# Altium PCB JTAG-批量下载V06.PcbDoc (part 5 of 13)
Units mil, origin at the board's own origin, x right, y up, seen from the top; angles counter-clockwise.
Board outline 6380 x 5290 mil, 2 copper layers (Top Layer, Bottom Layer); 190 components, 238 nets, 1050 pads, 459 vias.
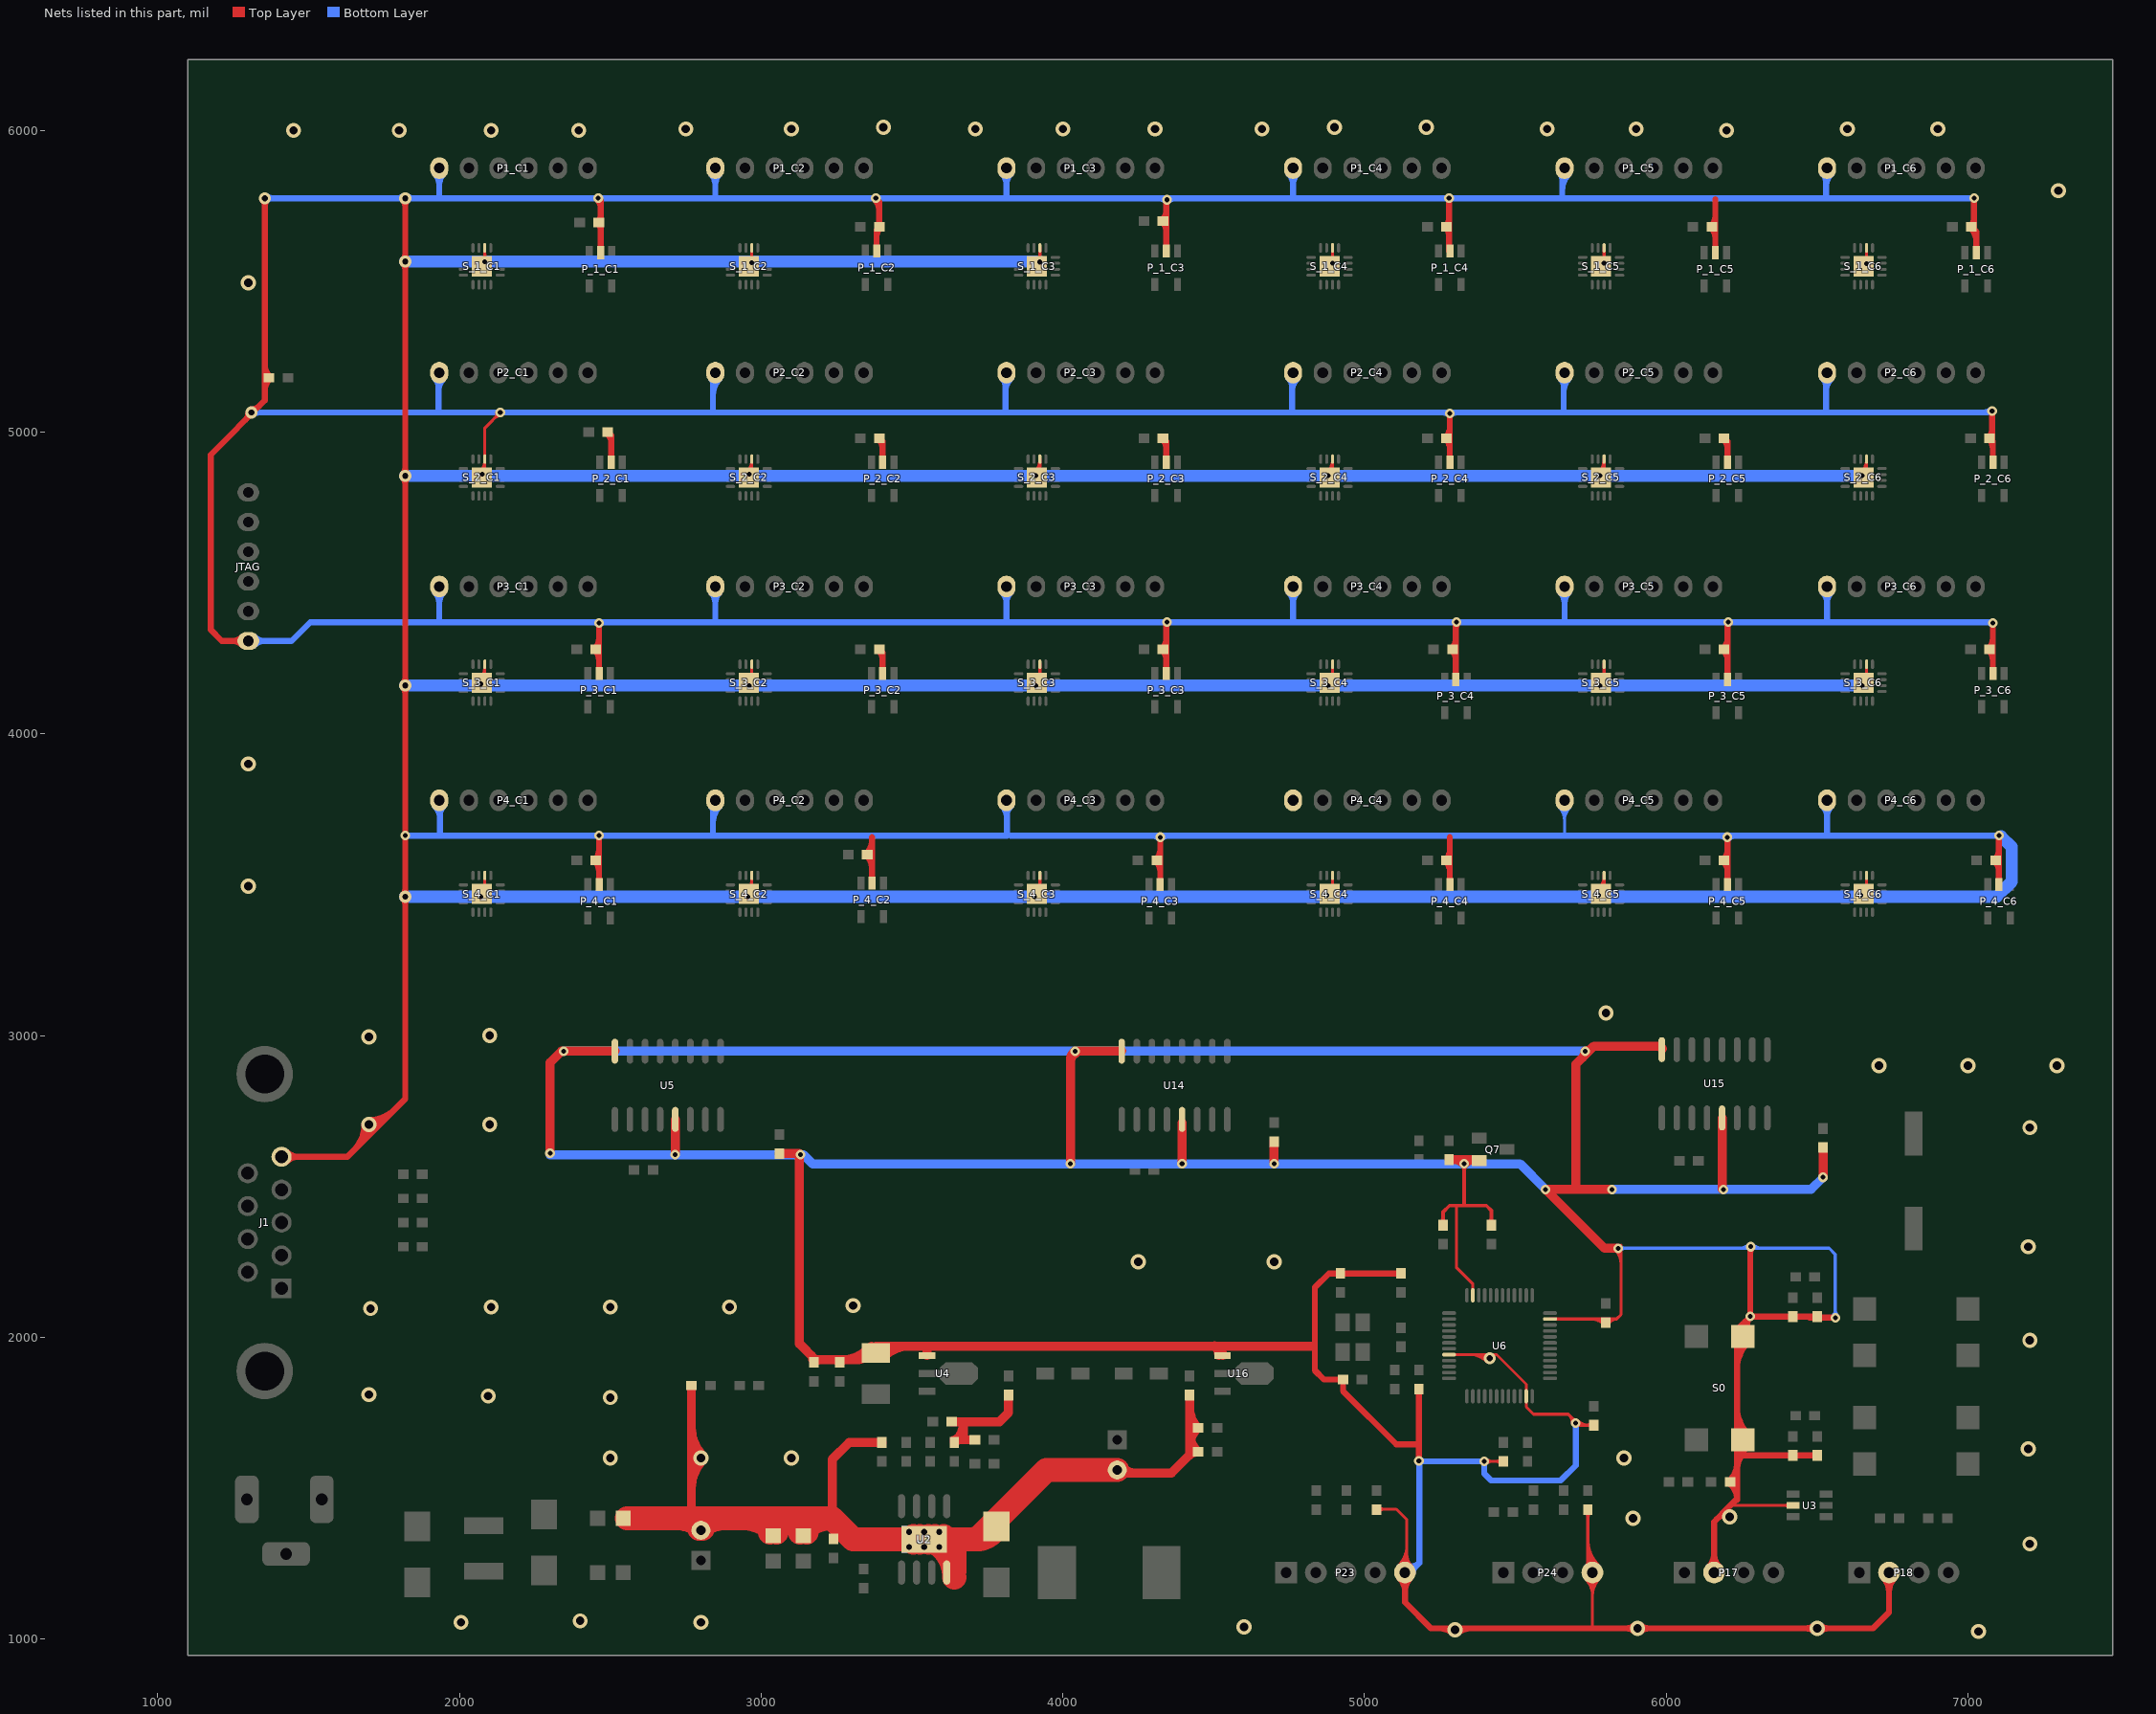
[diagram p5: the nets of this part, all layers, seen from the top]

## Via types
v1: diameter 32, hole 16, Top Layer to Bottom Layer, 347 vias
v2: diameter 50, hole 28, Top Layer to Bottom Layer, 63 vias
v3: diameter 40, hole 20, Top Layer to Bottom Layer, 49 vias

## Nets (pads, with @x,y where several pads share a name; then routed paths per layer and width w, separated by ;. In a path a pad name is that pad's centre, name@x,y a point inside that pad or via, vN(x,y) a via of type N, cw(c..) or ccw(c..) an arc to the next point about the centre after c; other vN are vias at no path point) (continued)
GND: C2.2 C3.2 C4.2 C5.2 C6.2 C7.2 C8.2 C9.2 C10.2 C15.2 C16.2 C21.2 C22.2 C23.1 C24.2 C25.2 C26.2 C27.2 C30.2 C38.1 C39.1 C41.2 C42.2 C43.2 C48.2 C50.2 C52.2 C53.2 D8.1 J1.5 JTAG.6 L2.1 LD0.2 P1_C1.6 P1_C2.6 P1_C3.6 P1_C4.6 P1_C5.6 P1_C6.6 P2_C1.6 P2_C2.6 P2_C3.6 P2_C4.6 P2_C5.6 P2_C6.6 P3_C1.6 P3_C2.6 P3_C3.6 P3_C4.6 P3_C5.6 P3_C6.6 P4_C1.6 P4_C2.6 P4_C3.6 P4_C4.6 P4_C5.6 P4_C6.6 P17.2 P18.2 P23.5 P24.4 P_1_C1.2 P_1_C2.2 P_1_C3.2 P_1_C4.2 P_1_C5.2 P_1_C6.2 P_2_C1.2 P_2_C2.2 P_2_C3.2 P_2_C4.2 P_2_C5.2 P_2_C6.2 P_3_C1.2 P_3_C2.2 P_3_C3.2 P_3_C4.2 P_3_C5.2 P_3_C6.2 P_4_C1.2 P_4_C2.2 P_4_C3.2 P_4_C4.2 P_4_C5.2 P_4_C6.2 Q7.2 R7.1 R10.1 R14.1 R17.1 R21.1 R29.2 R30.2 R31.2 R32.2 R33.2 R34.2 R40.2 R41.2 R45.1 R48.1 R52.2 R53.2 R54.2 R55.2 R56.2 R57.2 R61.2 R62.2 R63.2 R64.2 R65.2 R66.2 R71.2 R72.2 R73.2 R74.2 R75.2 R76.2 S0.3 S0.4 S_1_C1.6 S_1_C1.17 S_1_C2.6 S_1_C2.17 S_1_C3.6 S_1_C3.17 S_1_C4.6 S_1_C4.17 S_1_C5.6 S_1_C5.17 S_1_C6.6 S_1_C6.17 S_2_C1.6 S_2_C1.17 S_2_C2.6 S_2_C2.17 S_2_C3.6 S_2_C3.17 S_2_C4.6 S_2_C4.17 S_2_C5.6 S_2_C5.17 S_2_C6.6 S_2_C6.17 S_3_C1.6 S_3_C1.17 S_3_C2.6 S_3_C2.17 S_3_C3.6 S_3_C3.17 S_3_C4.6 S_3_C4.17 S_3_C5.6 S_3_C5.17 S_3_C6.6 S_3_C6.17 S_4_C1.6 S_4_C1.17 S_4_C2.6 S_4_C2.17 S_4_C3.6 S_4_C3.17 S_4_C4.6 S_4_C4.17 S_4_C5.6 S_4_C5.17 S_4_C6.6 S_4_C6.17 U2.4 U2.9 U3.2 U4.1 U5.8 U5.13 U6.8 U6.23 U6.35 U6.47 U14.8 U14.13 U15.8 U15.13 U16.1 | length 111183.4
  Top Layer w10: S_3_C1.17@2062.22,4172.78 ccw(c2010.08,4224.92) S_3_C1.6@2083.82,4224.92 ; S_2_C1.17@2067.22,4867.78 ccw(c2027.15,4907.85) S_2_C1.6@2083.82,4907.85 ; S_3_C1.17@2069.29,4165.71 ccw(c2034.22,4200.78) S_3_C1.17@2083.82,4200.78 ; S_4_C1.17@2073.98,3469.53 S_4_C1.17@2083.82,3479.37 ; S_2_C1.17@2074.29,4860.71 ccw(c2051.3,4883.7) 2083.82,4883.7 ; S_1_C1.17@2076.04,5572.78 ccw(c2057.26,5591.56) 2083.82,5591.56 ccw(c2110.38,5591.56) S_1_C1.17@2091.6,5572.78 ; S_3_C1.17@2076.36,4158.64 ccw(c2058.37,4176.63) S_3_C1.17@2083.82,4176.63 ; S_4_C1.6@2083.82,3530.55 S_4_C1.17@2083.82,3479.37 ; S_3_C1.17@2083.82,4179.37 S_3_C1.6@2083.82,4230.55 ; S_2_C1.17@2083.82,4851.18 2083.82,5013.82 v1(2135,5065) ; S_1_C1.17@2083.82,5531.18 S_1_C1.6@2083.82,5620 ; S_4_C2.17@2947.22,3467.78 ccw(c2895.08,3519.92) S_4_C2.6@2968.82,3519.92 ; S_2_C2.17@2952.22,4867.78 ccw(c2912.15,4907.85) S_2_C2.6@2968.82,4907.85 ; S_4_C2.17@2954.29,3460.71 ccw(c2919.22,3495.78) S_4_C2.17@2968.82,3495.78 ; S_2_C2.17@2959.29,4860.71 ccw(c2936.3,4883.7) 2968.82,4883.7 ; S_1_C2.17@2961.04,5568.96 ccw(c2942.26,5587.74) 2968.82,5587.74 ccw(c2995.38,5587.74) S_1_C2.17@2976.6,5568.96 ; S_4_C2.17@2961.36,3453.64 ccw(c2943.37,3471.63) S_4_C2.17@2968.82,3471.63 ; S_4_C2.17@2968.82,3458.82 S_4_C2.6@2968.82,3530.55 ; S_3_C2.17@2968.82,4179.37 S_3_C2.6@2968.82,4230.55 ; S_2_C2.17@2968.82,4861.18 S_2_C2.6@2968.82,4910.55 ; v1(2968.82,5561.18) S_1_C2.6@2968.82,5610.55 ; S_2_C3.17@3902.66,4863.19 ccw(c3860.25,4910.55) 3923.82,4910.55 S_2_C3.17@3923.82,4861.18 ; S_2_C3.17@3909.33,4855.74 ccw(c3880.29,4888.17) 3923.82,4888.17 ; S_4_C3.17@3913.98,3469.53 S_4_C3.17@3923.82,3479.37 ; S_2_C3.17@3916,4848.3 ccw(c3900.34,4865.79) S_2_C3.17@3923.82,4865.79 ; S_1_C3.17@3916.04,5571.6 ccw(c3897.26,5590.38) 3923.82,5590.38 ccw(c3950.38,5590.38) S_1_C3.17@3931.6,5571.6 ; S_4_C3.6@3923.82,3530.55 S_4_C3.17@3923.82,3479.37 ; S_3_C3.17@3923.82,4179.37 S_3_C3.6@3923.82,4230.55 ; v1(3923.82,5563.82) S_1_C3.6@3923.82,5610.55 ; S_2_C4.17@4872.66,4863.19 ccw(c4830.25,4910.55) 4893.82,4910.55 S_2_C4.17@4893.82,4861.18 ; S_2_C4.17@4879.33,4855.74 ccw(c4850.29,4888.17) 4893.82,4888.17 ; S_2_C4.17@4886,4848.3 ccw(c4870.34,4865.79) S_2_C4.17@4893.82,4865.79 ; S_1_C4.17@4886.04,5567.15 ccw(c4867.26,5585.93) 4893.82,5585.93 ccw(c4920.38,5585.93) S_1_C4.17@4901.6,5567.15 ; S_4_C4.17@4893.82,3478.82 S_4_C4.6@4893.82,3530.55 ; S_3_C4.17@4893.82,4183.82 S_3_C4.6@4893.82,4230.55 ; v1(4893.82,5559.37) S_1_C4.6@4893.82,5610.55 ; R45.1@5050,1430 5105,1430 5140,1395 P23.5@5140,1215 ; U6.8@5280,1942.2 5437.8,1942.2 5535.91,1844.09 5535.91,1769.09 5560,1745 5675,1745 5711.5,1708.5 C16.2@5760,1708.5 ; 5305,2436.5 5305,2230 5358.74,2176.26 U6.47@5358.74,2139.06 ; 5349.32,1942.2 cw(c5349.32,1864.32) v3@5404.39,1919.39 ; 5373.46,1942.2 cw(c5373.46,1888.46) v3@5411.46,1926.46 ; v1(5396.5,1588.5) R17.1@5460,1588.5 ; 5397.61,1942.2 cw(c5397.61,1912.61) v3@5418.54,1933.54 ; U6.35@5614.65,2060.32 5835.31,2060.32 ; R48.1@5740,1428.5 5740,1235.28 P24.4@5755.28,1220 5755.28,1035.28 ; 5750.29,2060.32 cw(c5750.29,2000.76) C10.2@5792.4,2042.87 ; S_4_C5.17@5767.77,3473.29 ccw(c5717.86,3530.55) 5793.82,3530.55 S_4_C5.17@5793.82,3468.82 ; S_2_C5.17@5772.66,4863.19 ccw(c5730.25,4910.55) 5793.82,4910.55 S_2_C5.17@5793.82,4851.18 ; S_4_C5.17@5774.34,3465.75 ccw(c5737.03,3508.57) 5793.82,3508.57 ; 5774.43,2060.32 cw(c5774.43,2024.9) C10.2@5799.47,2049.94 ; S_2_C5.17@5779.33,4855.74 ccw(c5750.29,4888.17) 5793.82,4888.17 ; S_4_C5.17@5780.91,3458.22 ccw(c5756.19,3486.58) S_4_C5.17@5793.82,3486.58 ; S_3_C5.17@5783.98,4169.53 S_3_C5.17@5793.82,4179.37 ; S_2_C5.17@5786,4848.3 ccw(c5770.34,4865.79) S_2_C5.17@5793.82,4865.79 ; S_1_C5.17@5786.04,5567.15 ccw(c5767.26,5585.93) 5793.82,5585.93 ccw(c5820.38,5585.93) S_1_C5.17@5801.6,5567.15 ; S_4_C5.17@5787.48,3450.68 ccw(c5775.35,3464.6) S_4_C5.17@5793.82,3464.6 ; S_3_C5.6@5793.82,4230.55 S_3_C5.17@5793.82,4179.37 ; v1(5793.82,5559.37) S_1_C5.6@5793.82,5610.55 ; v1@5850,2305 5850,2075 5835.31,2060.32 ; 6209.97,1439.97 6212.6,1442.6 U3.2@6420,1442.6 ; S_2_C6.17@6642.66,4863.19 ccw(c6600.25,4910.55) 6663.82,4910.55 S_2_C6.17@6663.82,4851.18 ; S_2_C6.17@6649.33,4855.74 ccw(c6620.29,4888.17) 6663.82,4888.17 ; S_2_C6.17@6656,4848.3 ccw(c6640.34,4865.79) S_2_C6.17@6663.82,4865.79 ; S_1_C6.17@6656.04,5566.6 ccw(c6637.26,5585.38) 6663.82,5585.38 ccw(c6690.38,5585.38) S_1_C6.17@6671.6,5566.6 ; S_4_C6.17@6663.82,3479.37 S_4_C6.6@6663.82,3530.55 ; S_3_C6.17@6663.82,4179.37 S_3_C6.6@6663.82,4230.55 ; v1(6663.82,5558.82) S_1_C6.6@6663.82,5610.55 ; S_4_C1.17@2070,3471 ccw(c2070,3484.15) S_4_C1.17@2079.3,3474.85 ; S_4_C1.17@2070,3471 ccw(c2070,3484.15) S_4_C1.17@2079.3,3474.85 ; S_4_C1.17@2070,3471 ccw(c2070,3484.15) S_4_C1.17@2079.3,3474.85 ; S_1_C1.17@2076.04,5557.22 cw(c2057.26,5538.44) S_1_C1.17@2083.82,5538.44 ; S_1_C1.17@2076.04,5557.22 cw(c2057.26,5538.44) S_1_C1.17@2083.82,5538.44 ; S_1_C1.17@2076.04,5557.22 cw(c2057.26,5538.44) S_1_C1.17@2083.82,5538.44 ; S_4_C1.17@2080.34,3463.75 cw(c2094.36,3468.83) S_4_C1.17@2083.82,3479.37 ; S_4_C1.17@2080.34,3463.75 cw(c2094.36,3468.83) S_4_C1.17@2083.82,3479.37 ; S_4_C1.17@2080.34,3463.75 cw(c2094.36,3468.83) S_4_C1.17@2083.82,3479.37 ; S_1_C1.17@2083.82,5538.44 cw(c2110.38,5538.44) S_1_C1.17@2091.6,5557.22 ; S_1_C1.17@2083.82,5538.44 cw(c2110.38,5538.44) S_1_C1.17@2091.6,5557.22 ; S_1_C1.17@2083.82,5538.44 cw(c2110.38,5538.44) S_1_C1.17@2091.6,5557.22 ; 2116.22,5046.22 ccw(c2097.44,5065) v1@2124,5065 ; 2116.22,5046.22 cw(c2135,5027.44) v1@2135,5054 ; 2116.22,5046.22 ccw(c2097.44,5065) v1@2124,5065 ; 2116.22,5046.22 cw(c2135,5027.44) v1@2135,5054 ; 2116.22,5046.22 ccw(c2097.44,5065) v1@2124,5065 ; 2116.22,5046.22 cw(c2135,5027.44) v1@2135,5054 ; S_4_C3.17@3905,3471 ccw(c3905,3496.23) S_4_C3.17@3922.84,3478.39 ; S_4_C3.17@3905,3471 ccw(c3905,3496.23) S_4_C3.17@3922.84,3478.39 ; S_4_C3.17@3905,3471 ccw(c3905,3496.23) S_4_C3.17@3922.84,3478.39 ; S_4_C3.17@3916,3460.14 cw(c3942.7,3460.49) S_4_C3.17@3923.82,3479.37 ; S_4_C3.17@3916,3460.14 cw(c3942.7,3460.49) S_4_C3.17@3923.82,3479.37 ; S_4_C3.17@3916,3460.14 cw(c3942.7,3460.49) S_4_C3.17@3923.82,3479.37 ; R45.1@5047.6,1422.87 cw(c5064.81,1405.67) 5064.81,1430 ; R45.1@5047.6,1422.87 cw(c5064.81,1405.67) 5064.81,1430 ; R45.1@5047.6,1422.87 cw(c5064.81,1405.67) 5064.81,1430 ; R45.1@5047.6,1438.07 ccw(c5067.09,1457.56) 5067.09,1430 ; R45.1@5047.6,1438.07 ccw(c5067.09,1457.56) 5067.09,1430 ; R45.1@5047.6,1438.07 ccw(c5067.09,1457.56) 5067.09,1430 ; P23.5@5111.78,1241.92 ccw(c5043.65,1310.05) 5140,1310.05 ; P23.5@5111.78,1241.92 ccw(c5043.65,1310.05) 5140,1310.05 ; P23.5@5111.78,1241.92 ccw(c5043.65,1310.05) 5140,1310.05 ; P23.5@5118.85,1234.85 ccw(c5067.79,1285.91) 5140,1285.91 ; P23.5@5118.85,1234.85 ccw(c5067.79,1285.91) 5140,1285.91 ; P23.5@5118.85,1234.85 ccw(c5067.79,1285.91) 5140,1285.91 ; P23.5@5125.92,1227.78 ccw(c5091.93,1261.77) 5140,1261.77 ; P23.5@5125.92,1227.78 ccw(c5091.93,1261.77) 5140,1261.77 ; P23.5@5125.92,1227.78 ccw(c5091.93,1261.77) 5140,1261.77 ; 5140,1255.49 ccw(c5169.19,1255.49) P23.5@5148.55,1234.85 ; 5140,1255.49 ccw(c5169.19,1255.49) P23.5@5148.55,1234.85 ; 5140,1255.49 ccw(c5169.19,1255.49) P23.5@5148.55,1234.85 ; 5140,1279.63 ccw(c5193.33,1279.63) P23.5@5155.62,1241.92 ; 5140,1279.63 ccw(c5193.33,1279.63) P23.5@5155.62,1241.92 ; 5140,1279.63 ccw(c5193.33,1279.63) P23.5@5155.62,1241.92 ; v1@5404.27,1580.73 cw(c5423.05,1561.95) 5423.05,1588.5 ; v1@5404.27,1580.73 cw(c5423.05,1561.95) 5423.05,1588.5 ; v1@5404.27,1580.73 cw(c5423.05,1561.95) 5423.05,1588.5 ; v1@5404.27,1596.28 ccw(c5423.05,1615.06) 5423.05,1588.5 ; v1@5404.27,1596.28 ccw(c5423.05,1615.06) 5423.05,1588.5 ; v1@5404.27,1596.28 ccw(c5423.05,1615.06) 5423.05,1588.5 ; 5434.05,1588.5 ccw(c5434.05,1614.45) R17.1@5452.4,1596.1 ; 5434.05,1588.5 cw(c5434.05,1562.56) R17.1@5452.4,1580.9 ; 5434.05,1588.5 ccw(c5434.05,1614.45) R17.1@5452.4,1596.1 ; 5434.05,1588.5 cw(c5434.05,1562.56) R17.1@5452.4,1580.9 ; 5434.05,1588.5 ccw(c5434.05,1614.45) R17.1@5452.4,1596.1 ; 5434.05,1588.5 cw(c5434.05,1562.56) R17.1@5452.4,1580.9 ; 5677.69,1742.31 cw(c5650.37,1715) v1@5689,1715 ; 5677.69,1742.31 cw(c5650.37,1715) v1@5689,1715 ; 5677.69,1742.31 cw(c5650.37,1715) v1@5689,1715 ; 5689.76,1730.24 ccw(c5700,1740.49) v1@5700,1726 ; 5689.76,1730.24 ccw(c5700,1740.49) v1@5700,1726 ; 5689.76,1730.24 ccw(c5700,1740.49) v1@5700,1726 ; v1@5700.71,1715.71 ccw(c5718.1,1733.1) 5718.1,1708.5 ; v1@5700.71,1715.71 ccw(c5718.1,1733.1) 5718.1,1708.5 ; v1@5700.71,1715.71 ccw(c5718.1,1733.1) 5718.1,1708.5 ; v1@5707.78,1722.78 ccw(c5742.24,1757.24) 5742.24,1708.5 ; v1@5707.78,1722.78 ccw(c5742.24,1757.24) 5742.24,1708.5 ; v1@5707.78,1722.78 ccw(c5742.24,1757.24) 5742.24,1708.5 ; R48.1@5732.4,1418.94 cw(c5714.05,1400.59) 5740,1400.59 ; R48.1@5732.4,1418.94 cw(c5714.05,1400.59) 5740,1400.59 ; R48.1@5732.4,1418.94 cw(c5714.05,1400.59) 5740,1400.59 ; P24.4@5733.36,1198.08 cw(c5680.44,1145.16) 5755.28,1145.16 ; P24.4@5733.36,1198.08 cw(c5680.44,1145.16) 5755.28,1145.16 ; P24.4@5733.36,1198.08 cw(c5680.44,1145.16) 5755.28,1145.16 ; P24.4@5733.36,1241.92 ccw(c5717.31,1257.96) 5740,1257.96 ; P24.4@5733.36,1241.92 ccw(c5717.31,1257.96) 5740,1257.96 ; P24.4@5733.36,1241.92 ccw(c5717.31,1257.96) 5740,1257.96 ; 5734.05,1708.5 ccw(c5734.05,1734.45) C16.2@5752.4,1716.1 ; 5734.05,1708.5 cw(c5734.05,1682.56) C16.2@5752.4,1700.9 ; 5734.05,1708.5 ccw(c5734.05,1734.45) C16.2@5752.4,1716.1 ; 5734.05,1708.5 cw(c5734.05,1682.56) C16.2@5752.4,1700.9 ; 5734.05,1708.5 ccw(c5734.05,1734.45) C16.2@5752.4,1716.1 ; 5734.05,1708.5 cw(c5734.05,1682.56) C16.2@5752.4,1700.9 ; 5740,1259.29 ccw(c5794.57,1259.29) P24.4@5755.98,1220.71 ; 5740,1259.29 ccw(c5794.57,1259.29) P24.4@5755.98,1220.71 ; 5740,1259.29 ccw(c5794.57,1259.29) P24.4@5755.98,1220.71 ; 5740,1283.43 ccw(c5818.71,1283.43) P24.4@5763.05,1227.78 ; 5740,1283.43 ccw(c5818.71,1283.43) P24.4@5763.05,1227.78 ; 5740,1283.43 ccw(c5818.71,1283.43) P24.4@5763.05,1227.78 ; 5740,1307.58 ccw(c5842.85,1307.58) P24.4@5770.12,1234.85 ; 5740,1307.58 ccw(c5842.85,1307.58) P24.4@5770.12,1234.85 ; 5740,1307.58 ccw(c5842.85,1307.58) P24.4@5770.12,1234.85 ; 5740,1331.72 ccw(c5866.99,1331.72) P24.4@5777.2,1241.92 ; 5740,1331.72 ccw(c5866.99,1331.72) P24.4@5777.2,1241.92 ; 5740,1331.72 ccw(c5866.99,1331.72) P24.4@5777.2,1241.92 ; 5740,1400.59 cw(c5765.95,1400.59) R48.1@5747.6,1418.94 ; 5740,1400.59 cw(c5765.95,1400.59) R48.1@5747.6,1418.94 ; 5740,1400.59 cw(c5765.95,1400.59) R48.1@5747.6,1418.94 ; P24.4@5740.43,1205.15 cw(c5704.58,1169.3) 5755.28,1169.3 ; P24.4@5740.43,1205.15 cw(c5704.58,1169.3) 5755.28,1169.3 ; P24.4@5740.43,1205.15 cw(c5704.58,1169.3) 5755.28,1169.3 ; 5755.28,1145.16 cw(c5830.12,1145.16) P24.4@5777.2,1198.08 ; 5755.28,1145.16 cw(c5830.12,1145.16) P24.4@5777.2,1198.08 ; 5755.28,1145.16 cw(c5830.12,1145.16) P24.4@5777.2,1198.08 ; 5755.28,1169.3 cw(c5805.97,1169.3) P24.4@5770.12,1205.15 ; 5755.28,1169.3 cw(c5805.97,1169.3) P24.4@5770.12,1205.15 ; 5755.28,1169.3 cw(c5805.97,1169.3) P24.4@5770.12,1205.15 ; S_3_C5.17@5780,4171 ccw(c5780,4184.15) S_3_C5.17@5789.3,4174.85 ; S_3_C5.17@5780,4171 ccw(c5780,4184.15) S_3_C5.17@5789.3,4174.85 ; S_3_C5.17@5780,4171 ccw(c5780,4184.15) S_3_C5.17@5789.3,4174.85 ; S_3_C5.17@5790.34,4163.75 cw(c5804.36,4168.83) S_3_C5.17@5793.82,4179.37 ; S_3_C5.17@5790.34,4163.75 cw(c5804.36,4168.83) S_3_C5.17@5793.82,4179.37 ; S_3_C5.17@5790.34,4163.75 cw(c5804.36,4168.83) S_3_C5.17@5793.82,4179.37 ; C10.2@5800.65,2050.1 cw(c5818.16,2040.19) 5818.16,2060.32 ; C10.2@5800.65,2050.1 cw(c5818.16,2040.19) 5818.16,2060.32 ; C10.2@5800.65,2050.1 cw(c5818.16,2040.19) 5818.16,2060.32 ; C10.2@5809.35,2045.18 cw(c5835.31,2030.49) 5835.31,2060.32 ; C10.2@5809.35,2045.18 cw(c5835.31,2030.49) 5835.31,2060.32 ; C10.2@5809.35,2045.18 cw(c5835.31,2030.49) 5835.31,2060.32 ; v1@5832.22,2287.22 cw(c5789.3,2244.3) 5850,2244.3 ; v1@5832.22,2287.22 cw(c5789.3,2244.3) 5850,2244.3 ; v1@5832.22,2287.22 cw(c5789.3,2244.3) 5850,2244.3 ; v1@5839.29,2294.29 cw(c5813.44,2268.44) 5850,2268.44 ; v1@5839.29,2294.29 cw(c5813.44,2268.44) 5850,2268.44 ; v1@5839.29,2294.29 cw(c5813.44,2268.44) 5850,2268.44 ; 6393.71,1442.6 ccw(c6393.71,1459.04) U3.2@6405.34,1447.41 ; 6393.71,1442.6 cw(c6393.71,1426.16) U3.2@6405.34,1437.78 ; 6393.71,1442.6 ccw(c6393.71,1459.04) U3.2@6405.34,1447.41 ; 6393.71,1442.6 cw(c6393.71,1426.16) U3.2@6405.34,1437.78 ; 6393.71,1442.6 ccw(c6393.71,1459.04) U3.2@6405.34,1447.41 ; 6393.71,1442.6 cw(c6393.71,1426.16) U3.2@6405.34,1437.78
  Top Layer w12: C9.2@5260,2371.5 5260,2415 5281.5,2436.5 5403.5,2436.5 5420,2420 R14.1@5420,2371.5 ; 5330,2436.5 v1@5330,2588.5 ; Q7.2@5376.69,2588.5 Q7.2@5380,2585.2 ; C9.2@5253.11,2380.36 ccw(c5236.47,2397) 5260,2397 ; C9.2@5253.11,2380.36 ccw(c5236.47,2397) 5260,2397 ; C9.2@5253.11,2380.36 ccw(c5236.47,2397) 5260,2397 ; 5260,2397 ccw(c5283.53,2397) C9.2@5266.89,2380.36 ; 5260,2397 ccw(c5283.53,2397) C9.2@5266.89,2380.36 ; 5260,2397 ccw(c5283.53,2397) C9.2@5266.89,2380.36 ; v1@5322.93,2567.93 cw(c5305.86,2550.86) 5330,2550.86 ; v1@5322.93,2567.93 cw(c5305.86,2550.86) 5330,2550.86 ; v1@5322.93,2567.93 cw(c5305.86,2550.86) 5330,2550.86 ; 5330,2550.86 cw(c5354.14,2550.86) v1@5337.07,2567.93 ; 5330,2550.86 cw(c5354.14,2550.86) v1@5337.07,2567.93 ; 5330,2550.86 cw(c5354.14,2550.86) v1@5337.07,2567.93 ; R14.1@5413.11,2380.36 ccw(c5396.47,2397) 5420,2397 ; R14.1@5413.11,2380.36 ccw(c5396.47,2397) 5420,2397 ; R14.1@5413.11,2380.36 ccw(c5396.47,2397) 5420,2397 ; 5420,2397 ccw(c5443.53,2397) R14.1@5426.89,2380.36 ; 5420,2397 ccw(c5443.53,2397) R14.1@5426.89,2380.36 ; 5420,2397 ccw(c5443.53,2397) R14.1@5426.89,2380.36